# KiCad board Marble_Tiny.kicad_pcb (continued)
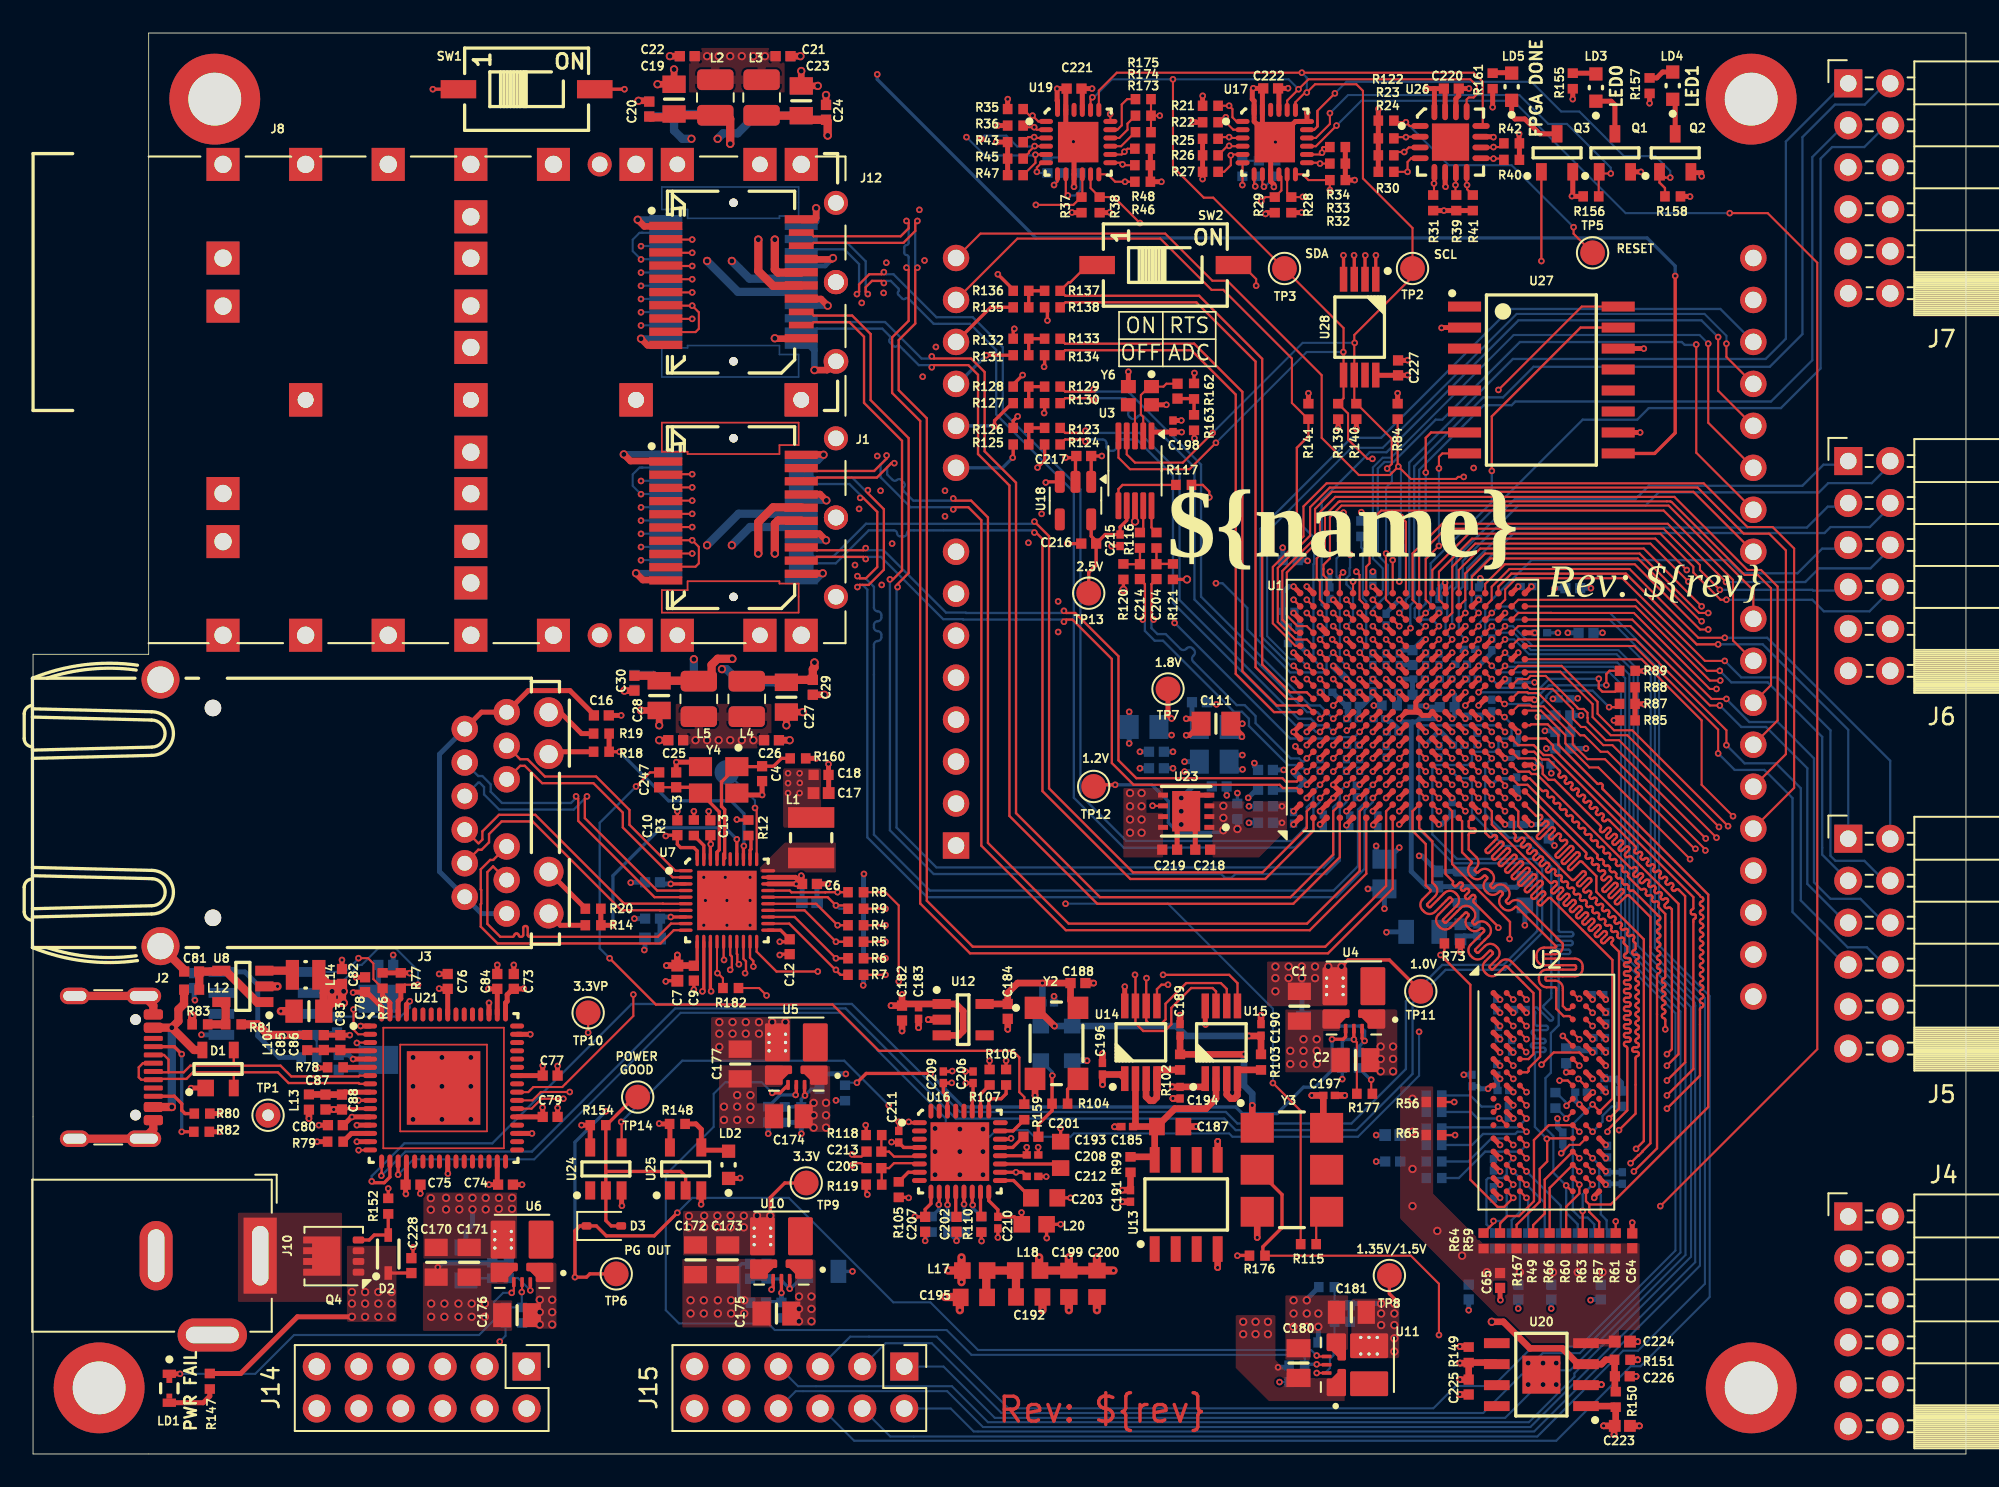
[diagram p0: board, top side]
## Footprints (pads in the part's own frame, mm; a bottom-side part is the same pattern mirrored in y, then rotated) (continued)
  rect 0.58x0.62 smd: 1(-0.47,0) 2(0.47,0)
RESC1608X55N
  rect 0.9x1 smd: 1(-0.8,0) 2(0.8,0)
RESC2012X60N
  rect 0.95x1.4 smd: 1(-1,0) 2(1,0)
SODFL2513X100N
  rect 0.82x0.46 smd: 1(-1.15,0) 2(1.15,0)
SOIC127P600X168-9N-S230
  rect 1.55x0.6 smd: 1(-2.7,1.905) 2(-2.7,0.635) 3(-2.7,-0.635) 4(-2.7,-1.905) 5(2.7,-1.905) 6(2.7,-0.635) 7(2.7,0.635) 8(2.7,1.905)
  rect 2.3x2.3 smd: 9(0,0)
SOIC127P600X175-8N
  rect 1.55x0.6 smd: 1(-2.7,1.905) 2(-2.7,0.635) 3(-2.7,-0.635) 4(-2.7,-1.905) 5(2.7,-1.905) 6(2.7,-0.635) 7(2.7,0.635) 8(2.7,1.905)
SOIC127P1030X265-16N
  rect 2x0.6 smd: 1(-4.65,4.445) 2(-4.65,3.175) 3(-4.65,1.905) 4(-4.65,0.635) 5(-4.65,-0.635) 6(-4.65,-1.905) 7(-4.65,-3.175) 8(-4.65,-4.445) 9(4.65,-4.445) 10(4.65,-3.175) 11(4.65,-1.905) 12(4.65,-0.635) 13(4.65,0.635) 14(4.65,1.905) 15(4.65,3.175) 16(4.65,4.445)
SON65P300X300X100-9N-R170X245
  rect 0.6x0.3 smd: 1(-1.4,0.975) 2(-1.4,0.325) 3(-1.4,-0.325) 4(-1.4,-0.975) 5(1.4,-0.975) 6(1.4,-0.325) 7(1.4,0.325) 8(1.4,0.975)
  rect 1.7x2.45 smd: 9(0,0)
SOP65P490X110-8N
  rect 1.5x0.45 smd: 1(-2.2,0.975) 2(-2.2,0.325) 3(-2.2,-0.325) 4(-2.2,-0.975) 5(2.2,-0.975) 6(2.2,-0.325) 7(2.2,0.325) 8(2.2,0.975)
SOP65P640X120-8N
  rect 1.5x0.45 smd: 1(-2.9,0.975) 2(-2.9,0.325) 3(-2.9,-0.325) 4(-2.9,-0.975) 5(2.9,-0.975) 6(2.9,-0.325) 7(2.9,0.325) 8(2.9,0.975)
SOT95P240X110-3N
  rect 1.05x0.65 smd: 1(-1.15,0.95) 2(-1.15,-0.95) 3(1.15,0)
SOT95P280X145-5N
  rect 1.1x0.6 smd: 1(-1.3,0.95) 2(-1.3,0) 3(-1.3,-0.95) 4(1.3,-0.95) 5(1.3,0.95)
SOT95P284X122-5N
  rect 1.1x0.6 smd: 1(-1.3,0.95) 2(-1.3,0) 3(-1.3,-0.95) 4(1.3,-0.95) 5(1.3,0.95)
SOT190P230X110-4N
  rect 1x1 smd: 1(-1.15,0.75)
  rect 1x0.6 smd: 2(-1.15,-0.95) 3(1.15,-0.95) 4(1.15,0.95)
SOT-23
  rrect 1.475x0.6 smd: 1(-0.938,0.95) 2(-0.938,-0.95) 3(0.938,0)
SOT-23-5
  rrect 1.325x0.6 smd: 1(-1.137,0.95) 2(-1.137,0) 3(-1.137,-0.95) 4(1.137,-0.95) 5(1.137,0.95)
SW_OMRON_A6SN-1101
  rect 2.15x1.1 smd: 1(-4.125,0) 2(4.125,0)
TE_2180739-1
  rect 2x2 hole 1.05: SH1(14.25,4.1) SH2(14.25,-5.9) SH3(-14.25,-10.9) SH4(-8.57,-15.9) SH5(-3.17,-15.9) SH6(5.68,-15.9) SH7(11.08,-15.9) SH8(14.25,-15.9) SH9(-14.25,-20.9) SH10(14.25,-25.9) SH11(-14.25,-30.9) SH12(-5.67,-30.9) SH13(8.58,-30.9)
  rect 2x2 hole 0.95: SH14(-14.25,1.6) SH15(-14.25,-3.4) SH20(0,4.1) SH23(0,-5.9) SH24(0,-15.9) SH25(0,-25.9)
  round 1.458 hole 0.95: SH16(-14.25,-8.1) SH18(-11.92,6.2) SH19(-7.12,6.2) SH21(2.33,6.2) SH22(7.13,6.2)
TE_2180739-1#2
  rect 2x2 hole 1.05: SH1(14.25,4.1) SH2(14.25,-5.9) SH3(-14.25,-10.9) SH4(-8.57,-15.9) SH5(-3.17,-15.9) SH6(5.68,-15.9) SH7(11.08,-15.9) SH8(14.25,-15.9) SH9(-14.25,-20.9) SH10(14.25,-25.9) SH11(-14.25,-30.9) SH12(-5.67,-30.9) SH13(8.58,-30.9)
  rect 2x2 hole 0.95: SH14(-14.25,1.6) SH15(-14.25,-3.4) SH20(0,4.1) SH23(0,-5.9) SH24(0,-15.9) SH25(0,-25.9)
  round 1.458 hole 0.95: SH16(-14.25,-8.1) SH18(-11.92,6.2) SH19(-7.12,6.2) SH22(7.13,6.2)
  round 1.5 hole 0.95: SH21(2.33,6.2)
TestPoint_Pad_D1.5mm
  round 1.5 smd: 1(0,0)
TestPoint_THTPad_D1.5mm_Drill0.7mm
  round 1.5 hole 0.7: 1(0,0)
TYCO_1367073-1
  round 0.5 hole 1.55 unplated: (0,4.795) (0,-4.805)
  rect 2x0.5 smd: 1(-4.1,3.395) 2(-4.1,2.595) 3(-4.1,1.795) 4(-4.1,0.995) 5(-4.1,0.195) 6(-4.1,-0.605) 7(-4.1,-1.405) 8(-4.1,-2.205) 9(-4.1,-3.005) 10(-4.1,-3.805) 11(4.1,-3.405) 12(4.1,-2.605) 13(4.1,-1.805) 14(4.1,-1.005) 15(4.1,-0.205) 16(4.1,0.595) 17(4.1,1.395) 18(4.1,2.195) 19(4.1,2.995) 20(4.1,3.795)
TYCO_1888247-1
  round 0.5 hole 1.55 unplated: (0,4.795) (0,-4.805)
  rect 2x0.5 smd: 1(-4.1,3.395) 2(-4.1,2.595) 3(-4.1,1.795) 4(-4.1,0.995) 5(-4.1,0.195) 6(-4.1,-0.605) 7(-4.1,-1.405) 8(-4.1,-2.205) 9(-4.1,-3.005) 10(-4.1,-3.805) 11(4.1,-3.405) 14(4.1,-1.005) 15(4.1,-0.205) 16(4.1,0.595) 17(4.1,1.395) 20(4.1,3.795)
  rect 1.5x0.4 smd: 12(4.1,-2.605) 13(4.1,-1.805) 18(4.1,2.195) 19(4.1,2.995)
USB_C_Receptacle_GCT_USB4105-xx-A_16P_TopMnt_Horizontal
  round 0.65 hole 0.65 unplated: (-2.89,2.605) (2.89,2.605)
  rrect 0.6x1.15 smd: A1(-3.2,3.68) A4(-2.4,3.68) A9(2.4,3.68) A12(3.2,3.68) B1(3.2,3.68) B4(2.4,3.68) B9(-2.4,3.68) B12(-3.2,3.68)
  rrect 0.3x1.15 smd: A5(-1.25,3.68) A6(-0.25,3.68) A7(0.25,3.68) A8(1.25,3.68) B5(1.75,3.68) B6(0.75,3.68) B7(-0.75,3.68) B8(-1.75,3.68)
  oval 1x2.1 hole 0.6x1.7: S1(-4.32,3.105) S1(4.32,3.105)
  oval 1x1.8 hole 0.6x1.4: S1(-4.32,-1.075) S1(4.32,-1.075)
VREG_TPSM863257RDXR
  rect 0.5x0.5 smd: 1(-1.363,1.337) 2(-1.15,-0.675) 3(1.15,-0.675) 4(1.363,1.337)
  custom 1.645x1.175 smd: 1(-0.915,1.899) 4(1.81,1.899)
  custom 1.5x2.3 smd: 2(-0.49,0.474) 3(1.81,0.474)
  round 0.4 hole 0.2: 3(0.65,-0.165) 3(0.65,-0.665) 3(0.65,-1.165) 3(1.65,-0.165) 3(1.65,-0.665) 3(1.65,-1.165)
  rrect 0.22x0.6 smd: 5(0.5,1.9) 6(0,1.9) 7(-0.5,1.9)
Xilinx_CSG325
  round 0.4 smd: A1(-6.8,6.8) A2(-6,6.8) A3(-5.2,6.8) A4(-4.4,6.8) A5(-3.6,6.8) A6(-2.8,6.8) A7(-2,6.8) A8(-1.2,6.8) A9(-0.4,6.8) A10(0.4,6.8) A11(1.2,6.8) A12(2,6.8) A13(2.8,6.8) A14(3.6,6.8) A15(4.4,6.8) A16(5.2,6.8) A17(6,6.8) A18(6.8,6.8) B1(-6.8,6) B2(-6,6) B3(-5.2,6) B4(-4.4,6) B5(-3.6,6) B6(-2.8,6) B7(-2,6) B8(-1.2,6) B9(-0.4,6) B10(0.4,6) B11(1.2,6) B12(2,6) B13(2.8,6) B14(3.6,6) B15(4.4,6) B16(5.2,6) B17(6,6) B18(6.8,6) C1(-6.8,5.2) C2(-6,5.2) C3(-5.2,5.2) C4(-4.4,5.2) C5(-3.6,5.2) C6(-2.8,5.2) C7(-2,5.2) C8(-1.2,5.2) C9(-0.4,5.2) C10(0.4,5.2) C11(1.2,5.2) C12(2,5.2) C13(2.8,5.2) C14(3.6,5.2) C15(4.4,5.2) C16(5.2,5.2) C17(6,5.2) C18(6.8,5.2) D1(-6.8,4.4) D2(-6,4.4) D3(-5.2,4.4) D4(-4.4,4.4) D5(-3.6,4.4) D6(-2.8,4.4) D7(-2,4.4) D8(-1.2,4.4) D9(-0.4,4.4) D10(0.4,4.4) D11(1.2,4.4) D12(2,4.4) D13(2.8,4.4) D14(3.6,4.4) D15(4.4,4.4) D16(5.2,4.4) D17(6,4.4) D18(6.8,4.4) E1(-6.8,3.6) E2(-6,3.6) E3(-5.2,3.6) E4(-4.4,3.6) E5(-3.6,3.6) E6(-2.8,3.6) E7(-2,3.6) E8(-1.2,3.6) E9(-0.4,3.6) E10(0.4,3.6) E11(1.2,3.6) E12(2,3.6) E13(2.8,3.6) E14(3.6,3.6) E15(4.4,3.6) E16(5.2,3.6) E17(6,3.6) E18(6.8,3.6) F1(-6.8,2.8) F2(-6,2.8) F3(-5.2,2.8) F4(-4.4,2.8) F5(-3.6,2.8) F6(-2.8,2.8) F7(-2,2.8) F8(-1.2,2.8) F9(-0.4,2.8) F10(0.4,2.8) F11(1.2,2.8) F12(2,2.8) F13(2.8,2.8) F14(3.6,2.8) F15(4.4,2.8) F16(5.2,2.8) F17(6,2.8) F18(6.8,2.8) G1(-6.8,2) G2(-6,2) G3(-5.2,2) G4(-4.4,2) G5(-3.6,2) G6(-2.8,2) G7(-2,2) G8(-1.2,2) G9(-0.4,2) G10(0.4,2) G11(1.2,2) G12(2,2) G13(2.8,2) G14(3.6,2) G15(4.4,2) G16(5.2,2) G17(6,2) G18(6.8,2) H1(-6.8,1.2) H2(-6,1.2) H3(-5.2,1.2) H4(-4.4,1.2) H5(-3.6,1.2) H6(-2.8,1.2) H7(-2,1.2) H8(-1.2,1.2) H9(-0.4,1.2) H10(0.4,1.2) H11(1.2,1.2) H12(2,1.2) H13(2.8,1.2) H14(3.6,1.2) H15(4.4,1.2) H16(5.2,1.2) H17(6,1.2) H18(6.8,1.2) J1(-6.8,0.4) J2(-6,0.4) J3(-5.2,0.4) J4(-4.4,0.4) J5(-3.6,0.4) J6(-2.8,0.4) J7(-2,0.4) J8(-1.2,0.4) J9(-0.4,0.4) J10(0.4,0.4) J11(1.2,0.4) J12(2,0.4) J13(2.8,0.4) J14(3.6,0.4) J15(4.4,0.4) J16(5.2,0.4) J17(6,0.4) J18(6.8,0.4) K1(-6.8,-0.4) K2(-6,-0.4) K3(-5.2,-0.4) K4(-4.4,-0.4) K5(-3.6,-0.4) K6(-2.8,-0.4) K7(-2,-0.4) K8(-1.2,-0.4) K9(-0.4,-0.4) K10(0.4,-0.4) K11(1.2,-0.4) K12(2,-0.4) K13(2.8,-0.4) K14(3.6,-0.4) K15(4.4,-0.4) K16(5.2,-0.4) K17(6,-0.4) K18(6.8,-0.4) L1(-6.8,-1.2) L2(-6,-1.2) L3(-5.2,-1.2) L4(-4.4,-1.2) L5(-3.6,-1.2) L6(-2.8,-1.2) L7(-2,-1.2) L8(-1.2,-1.2) L9(-0.4,-1.2) L10(0.4,-1.2) L11(1.2,-1.2) L12(2,-1.2) L13(2.8,-1.2) L14(3.6,-1.2) L15(4.4,-1.2) L16(5.2,-1.2) L17(6,-1.2) L18(6.8,-1.2) M1(-6.8,-2) M2(-6,-2) M3(-5.2,-2) M4(-4.4,-2) M5(-3.6,-2) M6(-2.8,-2) M7(-2,-2) M8(-1.2,-2) M9(-0.4,-2) M10(0.4,-2) M11(1.2,-2) M12(2,-2) M13(2.8,-2) M14(3.6,-2) M15(4.4,-2) M16(5.2,-2) M17(6,-2) M18(6.8,-2) N1(-6.8,-2.8) N2(-6,-2.8) N3(-5.2,-2.8) N4(-4.4,-2.8) N5(-3.6,-2.8) N6(-2.8,-2.8) N7(-2,-2.8) N8(-1.2,-2.8) N9(-0.4,-2.8) N10(0.4,-2.8) N11(1.2,-2.8) N12(2,-2.8) N13(2.8,-2.8) N14(3.6,-2.8) N15(4.4,-2.8) N16(5.2,-2.8) N17(6,-2.8) N18(6.8,-2.8) P1(-6.8,-3.6) P2(-6,-3.6) P3(-5.2,-3.6) P4(-4.4,-3.6) P5(-3.6,-3.6) P6(-2.8,-3.6) P7(-2,-3.6) P8(-1.2,-3.6) P9(-0.4,-3.6) P10(0.4,-3.6) P11(1.2,-3.6) P12(2,-3.6) P13(2.8,-3.6) P14(3.6,-3.6) P15(4.4,-3.6) P16(5.2,-3.6) P17(6,-3.6) P18(6.8,-3.6) R1(-6.8,-4.4) R2(-6,-4.4) R3(-5.2,-4.4) R4(-4.4,-4.4) R5(-3.6,-4.4) R6(-2.8,-4.4) R7(-2,-4.4) R8(-1.2,-4.4) R9(-0.4,-4.4) R10(0.4,-4.4) R11(1.2,-4.4) R12(2,-4.4) R13(2.8,-4.4) R14(3.6,-4.4) R15(4.4,-4.4) R16(5.2,-4.4) R17(6,-4.4) R18(6.8,-4.4) T1(-6.8,-5.2) T2(-6,-5.2) T3(-5.2,-5.2) T4(-4.4,-5.2) T5(-3.6,-5.2) T6(-2.8,-5.2) T7(-2,-5.2) T8(-1.2,-5.2) T9(-0.4,-5.2) T10(0.4,-5.2) T11(1.2,-5.2) T12(2,-5.2) T13(2.8,-5.2) T14(3.6,-5.2) T15(4.4,-5.2) T16(5.2,-5.2) T17(6,-5.2) T18(6.8,-5.2) U1(-6.8,-6) U2(-6,-6) U3(-5.2,-6) U4(-4.4,-6) U5(-3.6,-6) U6(-2.8,-6) U7(-2,-6) U8(-1.2,-6) U9(-0.4,-6) U10(0.4,-6) U11(1.2,-6) U12(2,-6) U13(2.8,-6) U14(3.6,-6) U15(4.4,-6) U16(5.2,-6) U17(6,-6) U18(6.8,-6) V1(-6.8,-6.8) V2(-6,-6.8) V3(-5.2,-6.8) V4(-4.4,-6.8) V5(-3.6,-6.8) V6(-2.8,-6.8) V7(-2,-6.8) V8(-1.2,-6.8) V9(-0.4,-6.8) V10(0.4,-6.8) V11(1.2,-6.8) V12(2,-6.8) V13(2.8,-6.8) V14(3.6,-6.8) V15(4.4,-6.8) V16(5.2,-6.8) V17(6,-6.8) V18(6.8,-6.8)
XTAL_EPSON_TSX-3225
  rect 1.15x1.4 smd: 1(-0.8,1.1) 2(-0.8,-1.1) 3(0.8,-1.1) 4(0.8,1.1)
XTAL_TXC_7A
  rect 1.7x2.4 smd: 1(-1.85,0) 2(1.85,0)
XTAL_TXC_8Y
  rect 0.8x0.9 smd: 1(-0.55,0.7) 2(-0.55,-0.7) 3(0.55,-0.7) 4(0.55,0.7)

## Nets
1V8USB: C73.1 C78.2 C79.2 C80.2 U21.12 U21.37 U21.49 U21.64
+1V0: C1.2 C89.2 C90.2 C91.2 C92.2 C93.2 C94.2 C95.2 C96.2 C97.2 C98.2 C99.2 C100.2 C101.2 C102.2 C103.2 C104.2 C105.2 C106.2 C107.2 C108.2 C109.2 C110.2 C111.2 C120.2 C121.2 C122.2 C157.2 C158.2 C159.2 C160.2 C161.2 C162.2 R1.2 TP11.1 U1.B4 U1.C5 U1.E5 U1.F5 U1.F7 U1.F9 U1.F11 U1.G8 U1.G10 U1.H7 U1.H9 U1.H11 U1.J8 U1.J12 U1.K7 U1.K11 U1.L8 U1.L12 U1.M7 U1.M11 U1.N8 U1.N10 U1.N12 U1.P9 U1.P11 U4.3
+1V2: C163.2 C164.2 C165.2 C166.2 C167.2 C168.2 C169.2 C218.2 R114.2 TP12.1 U1.A2 U1.C1 U1.E1 U1.F3 U1.G2 U23.1 U23.2 U23.3
+1V8: C112.2 C113.2 C114.2 C115.2 C116.2 C117.2 C118.2 C119.2 C156.2 C177.2 C219.2 L16.1 R95.2 TP7.1 U1.E11 U1.G12 U1.H13 U1.K13 U1.M13 U1.P13 U5.3 U23.5 U23.7 U23.8
+2V5: C215.1 C216.2 TP13.1 U3.7 U18.5
+3V3: C5.2 C6.2 C7.2 C8.2 C9.2 C10.2 C21.2 C22.2 C25.2 C26.2 C31.2 C32.2 C33.2 C34.2 C74.2 C75.2 C76.2 C77.2 C123.2 C124.2 C125.2 C126.2 C127.2 C128.2 C129.2 C130.2 C131.2 C132.2 C133.2 C134.2 C135.2 C136.2 C137.2 C138.2 C139.2 C140.2 C146.2 C150.2 C172.2 C173.2 C198.1 C217.2 C220.2 C221.2 C222.2 C225.2 C227.2 L2.1 L3.1 L4.1 L5.1 L6.1 L7.1 L8.1 L9.1 L15.1 L17.1 R12.2 R15.2 R21.2 R23.2 R24.2 R25.2 R26.2 R27.2 R28.2 R30.2 R31.2 R32.2 R33.2 R34.2 R35.2 R37.2 R39.2 R40.2 R41.2 R42.2 R43.2 R44.2 R45.2 R46.2 R47.2 R48.2 R84.1 R85.2 R86.2 R87.2 R88.2 R94.1 R122.2 R139.2 R140.2 R141.2 R148.2 R149.2 R154.1 R155.2 R157.2 R161.2 R182.2 TP9.1 U1.A16 U1.B13 U1.C10 U1.D17 U1.E10 U1.E14 U1.G18 U1.H15 U1.L16 U1.P17 U1.R10 U1.R14 U1.T11 U1.U8 U1.U18 U1.V15 U3.1 U7.11 U7.28 U7.29 U7.40 U10.3 U17.21 U18.1 U18.3 U19.18 U19.21 U20.6 U21.20 U21.31 U21.42 U21.56 U24.5 U25.5 U26.14 U27.2 U27.14 U28.8
+3V3_CLEAN: C182.1 C183.1 C191.1 C194.1 C196.1 C197.1 C199.1 C200.1 C206.1 C208.1 C209.1 C211.1 L18.2 L20.2 R99.2 R105.1 R176.2 U12.1 U12.3 U14.1 U15.1 U16.1 U16.4 U16.20 U16.27 U16.30 Y3.6
+3V3_P: A1.2 A1.4 C170.2 C171.2 J4.6 J4.12 J5.6 J5.12 J6.6 J6.12 J7.6 J7.12 J14.6 J14.12 J15.6 J15.12 R91.1 TP10.1 U6.3
+3V3_USB: C70.2 C82.2 C83.2 C84.1 L10.1 L13.1 L14.2 R75.1 R76.2 R77.2 R79.2 R81.2 TP1.1 U21.50 U22.8
+12V: A1.8 C2.2 C174.2 C175.2 C176.2 C180.2 C228.2 D2.1 Q4.1 Q4.2 Q4.3 R142.2 R143.2 R144.2 R145.2 R146.2 R147.1 U4.1 U5.1 U6.1 U10.1 U11.1
GND: A1.6 A1.7 A1.29 C1.1 C2.1 C3.2 C4.2 C5.1 C6.1 C7.1 C8.1 C9.1 C10.1 C11.1 C12.1 C13.1 C14.1 C15.1 C16.1 C17.1 C18.1 C19.1 C20.1 C21.1 C22.1 C23.1 C24.1 C25.1 C26.1 C27.1 C28.1 C29.1 C30.1 C31.1 C32.1 C33.1 C34.1 C35.1 C36.1 C37.1 C38.1 C39.1 C40.1 C41.1 C42.1 C61.1 C62.2 C63.2 C64.2 C65.2 C66.2 C67.2 C68.2 C69.2 C70.1 C71.2 C72.2 C73.2 C74.1 C75.1 C76.1 C77.1 C78.1 C79.1 C80.1 C81.1 C82.1 C83.1 C84.2 C85.1 C86.1 C87.1 C88.1 C89.1 C90.1 C91.1 C92.1 C93.1 C94.1 C95.1 C96.1 C97.1 C98.1 C99.1 C100.1 C101.1 C102.1 C103.1 C104.1 C105.1 C106.1 C107.1 C108.1 C109.1 C110.1 C111.1 C112.1 C113.1 C114.1 C115.1 C116.1 C117.1 C118.1 C119.1 C120.1 C121.1 C122.1 C123.1 C124.1 C125.1 C126.1 C127.1 C128.1 C129.1 C130.1 C131.1 C132.1 C133.1 C134.1 C135.1 C136.1 C137.1 C138.1 C139.1 C140.1 C141.1 C142.1 C143.1 C144.1 C145.1 C146.1 C147.1 C148.1 C149.1 C150.1 C152.1 C153.1 C155.1 C156.1 C157.1 C158.1 C159.1 C160.1 C161.1 C162.1 C163.1 C164.1 C165.1 C166.1 C167.1 C168.1 C169.1 C170.1 C171.1 C172.1 C173.1 C174.1 C175.1 C176.1 C177.1 C178.1 C179.1 C180.1 C181.1 C182.2 C183.2 C184.2 C185.2 C186.2 C187.2 C188.2 C189.2 C190.2 C191.2 C192.2 C194.2 C195.2 C196.2 C197.2 C198.2 C199.2 C200.2 C201.2 C202.2 C203.2 C206.2 C207.2 C208.2 C209.2 C210.2 C211.2 C212.2 C215.2 C216.1 C217.1 C218.1 C219.1 C220.1 C221.1 C222.1 C223.1 C224.1 C225.1 C226.1 C227.1 C228.1 C229.1 C230.1 C231.1 C232.1 C233.1 C234.1 C235.1 C236.1 C237.1 C238.1 C239.1 C240.1 C241.1 C242.1 C243.1 C244.1 C245.1 C246.1 C249.1 C250.1 D1.1 J1.1 J1.10 J1.11 J1.14 J1.17 J1.20 J2.A1 J2.A12 J2.B1 J2.B12 J2.S1 J3.13 J3.15 J3.17 J3.18 J4.5 J4.11 J5.5 J5.11 J6.5 J6.11 J7.5 J7.11 J8.SH1 J8.SH2 J8.SH3 J8.SH4 J8.SH5 J8.SH6 J8.SH7 J8.SH8 J8.SH9 J8.SH10 J8.SH11 J8.SH12 J8.SH13 J8.SH14 J8.SH15 J8.SH16 J8.SH18 J8.SH19 J8.SH20 J8.SH21 J8.SH22 J8.SH23 J8.SH24 J8.SH25 J9.SH1 J9.SH2 J9.SH3 J9.SH4 J9.SH5 J9.SH6 J9.SH7 J9.SH8 J9.SH9 J9.SH10 J9.SH11 J9.SH12 J9.SH13 J9.SH14 J9.SH15 J9.SH16 J9.SH18 J9.SH19 J9.SH20 J9.SH21 J9.SH22 J9.SH23 J9.SH24 J9.SH25 J10.2 J11.1 J11.10 J11.11 J11.14 J11.17 J11.20 J12.1 J12.10 J12.11 J12.14 J12.17 J12.20 J13.1 J13.10 J13.11 J13.14 J13.17 J13.20 J14.5 J14.11 J15.5 J15.11 L11.1 LD2.1 Q1.2 Q2.2 Q3.2 R2.1 R3.2 R10.1 R11.1 R13.1 R14.1 R16.1 R17.1 R18.1 R22.1 R29.1 R36.1 R38.1 R72.2 R73.1 R78.1 R80.2 R82.2 R83.2 R89.1 R90.1 R92.2 R93.2 R96.1 R97.1 R98.1 R106.1 R107.1 R108.1 R109.1 R110.1 R111.1 R112.1 R118.2 R119.2 R120.1 R121.1 R124.1 R126.2 R128.2 R130.1 R132.2 R134.1 R136.2 R138.1 R149.1 R151.1 R152.1 R156.1 R158.1 R160.1 R163.1 R164.1 R165.1 R166.1 R169.1 R170.1 R171.1 R172.1 R173.1 R174.1 R175.1 R177.1 R178.1 R179.1 R180.1 R181.1 SW1.1 U1.A1 U1.A5 U1.A7 U1.A8 U1.A11 U1.A18 U1.B3 U1.B7 U1.B8 U1.B18 U1.C2 U1.C6 U1.C7 U1.C15 U1.D3 U1.D4 U1.D7 U1.D12 U1.E2 U1.E6 U1.E7 U1.E9 U1.F4 U1.F6 U1.F10 U1.F16 U1.G1 U1.G5 U1.G6 U1.G7 U1.G9 U1.G11 U1.G13 U1.H3 U1.H4 U1.H5 U1.H6 U1.H8 U1.H10 U1.H12 U1.J1 U1.J2 U1.J3 U1.J7 U1.J11 U1.J13 U1.J17 U1.K4 U1.K8 U1.K12 U1.K14 U1.L1 U1.L7 U1.L11 U1.L13 U1.M8 U1.M9 U1.M10 U1.M12 U1.M18 U1.N5 U1.N7 U1.N9 U1.N11 U1.N13 U1.N15 U1.P2 U1.P8 U1.P12 U1.R9 U1.T6 U1.T16 U1.U3 U1.U13 U1.V1 U1.V10 U1.V18 U2.A9 U2.B1 U2.B3 U2.B9 U2.D1 U2.D8 U2.E1 U2.E2 U2.E8 U2.F9 U2.G1 U2.G8 U2.G9 U2.J2 U2.J8 U2.M1 U2.M9 U2.P1 U2.P9 U2.T1 U2.T9 U3.8 U4.4 U5.4 U6.4 U7.41 U8.2 U10.4 U11.4 U12.2 U13.4 U13.5 U14.8 U15.8 U16.22 U16.33 U17.9 U17.18 U17.23 U17.24 U17.25 U18.2 U19.9 U19.23 U19.24 U19.25 U20.2 U20.9 U21.1 U21.5 U21.10 U21.11 U21.13 U21.15 U21.25 U21.35 U21.47 U21.51 U21.65 U22.5 U23.4 U23.9 U24.3 U25.3 U26.6 U26.11 U26.15 U26.16 U27.10 U28.1 U28.2 U28.3 U28.4 Y1.3 Y2.2 Y3.3 Y4.2 Y4.4 Y6.2 Y6.4
/Arduino/A0: A1.9 R125.1
/Arduino/A1: A1.10 R127.1
/Arduino/A2: A1.11 R131.1
/Arduino/A3: A1.12 R135.1
/Clock-WR/WR_DAC_OUT1: C190.1 R103.1 Y1.1 Y2.1
/Clock-WR/WR_DAC_OUT2: C189.1 R102.1 Y3.1
/Clock-WR/WRCLK0_N: C213.2 R118.1 U16.5
/Clock-WR/WRCLK0_P: C205.2 R119.1 U16.6
/Ethernet/LED0: R12.1 U7.32
/Ethernet/LED1: R18.2 R19.1 U7.33
/Ethernet/LED2: R14.2 R20.1 U7.34
/Ethernet/MDI0_N: J3.10 U7.2
/Ethernet/MDI0_P: J3.11 U7.1
/Ethernet/MDI1_N: J3.5 U7.5
/Ethernet/MDI1_P: J3.4 U7.4
/Ethernet/MDI2_N: J3.2 U7.7
/Ethernet/MDI2_P: J3.3 U7.6
/Ethernet/MDI3_N: J3.9 U7.10
/Ethernet/MDI3_P: J3.8 U7.9
/Ethernet/RX0_T: R4.2 R11.2 U7.25
/Ethernet/RX1_T: R5.2 R10.2 U7.24
/Ethernet/RX2_T: R6.2 R13.2 U7.23
/Ethernet/RX3_T: R7.2 R15.1 U7.22
/Ethernet/RXC_T: R8.2 R17.2 U7.27
/Ethernet/RXCTL_T: R9.2 R16.2 U7.26
/FPGA_MISC/CCLK: U1.E8 U27.16
/FPGA_MISC/VREF: C151.2 C154.2 U1.L10 U9.2
/SFP/I2C_SFP0_SCL: J12.5 R24.1 U26.3
/SFP/I2C_SFP0_SDA: J12.4 R23.1 U26.2
/SFP/I2C_SFP1_SCL: J1.5 R31.1 U26.5
/SFP/I2C_SFP1_SDA: J1.4 R30.1 U26.4
/SFP/I2C_SFP2_SCL: J11.5 R41.1 U26.8
/SFP/I2C_SFP2_SDA: J11.4 R39.1 U26.7
/SFP/I2C_SFP3_SCL: J13.5 R42.1 U26.10
/SFP/I2C_SFP3_SDA: J13.4 R40.1 U26.9
/SFP/RS0: J12.7 J12.9 R26.1 U17.4
/SFP/RS1: J1.7 J1.9 R33.1 U17.13
/SFP/RS2: J11.7 J11.9 R45.1 U19.4
/SFP/RS3: J13.7 J13.9 R46.1 U19.13
/SFP/SFP0_DEF0: J12.6 R25.1 U17.3
/SFP/SFP0_LOS: J12.8 R27.1 U17.5
/SFP/SFP0_TX_DIS: J12.3 R22.2 U17.2
/SFP/SFP0_TX_FAULT: J12.2 R21.1 U17.1
/SFP/SFP1_DEF0: J1.6 R32.1 U17.12
/SFP/SFP1_LOS: J1.8 R34.1 U17.14
/SFP/SFP1_TX_DIS: J1.3 R29.2 U17.11
/SFP/SFP1_TX_FAULT: J1.2 R28.1 U17.10
/SFP/SFP2_DEF0: J11.6 R43.1 U19.3
/SFP/SFP2_LOS: J11.8 R47.1 U19.5
/SFP/SFP2_TX_DIS: J11.3 R36.2 U19.2
/SFP/SFP2_TX_FAULT: J11.2 R35.1 U19.1
/SFP/SFP3_DEF0: J13.6 R44.1 U19.12
/SFP/SFP3_LOS: J13.8 R48.1 U19.14
/SFP/SFP3_TX_DIS: J13.3 R38.2 U19.11
/SFP/SFP3_TX_FAULT: J13.2 R37.1 U19.10
/USB/USB_N: D1.3 J2.A7 J2.B7 U21.7
/USB/USB_P: D1.2 J2.A6 J2.B6 U21.8
AD0_N: R124.2 U1.C8
AD0_P: R123.2 U1.D8
AD1_N: R134.2 U1.A9
AD1_P: R133.2 U1.B9
AD8_N: R130.2 U1.C9
AD8_P: R129.2 U1.D9
AD9_N: R138.2 U1.A10
AD9_P: R137.2 SW2.1 U1.B10
ARDUINO_D0: A1.15 U1.G14
ARDUINO_D1: A1.16 U1.H16
ARDUINO_D2: A1.17 U1.A12
ARDUINO_D3: A1.18 U1.B12
ARDUINO_D4: A1.19 U1.C14
ARDUINO_D5: A1.20 U1.G17
ARDUINO_D6: A1.21 U1.G16
ARDUINO_D7: A1.22 U1.A15
ARDUINO_D8: A1.23 U1.C18
ARDUINO_D9: A1.24 U1.F18
ARDUINO_D10: A1.25 U1.C17
ARDUINO_D11: A1.26 U1.B15
ARDUINO_D12: A1.27 U1.B14
ARDUINO_D13: A1.28 U1.A14
CFG_DIN: U1.L17 U27.8
CFG_FCS: U1.L15 U27.7
CFG_MOSI: U1.K16 U27.15
CLK2: R117.2 U1.E15
CLK20_VCXO: R115.2 U1.D13
CLK_25MHZ: C247.2 R159.2 R162.1
DDR3_A0: R65.1 U1.U2 U2.N3
DDR3_A1: R66.1 U1.V3 U2.P7
DDR3_A2: R67.1 U1.R7 U2.P3
DDR3_A3: R68.1 U1.P6 U2.N2
DDR3_A4: R61.1 U1.V2 U2.P8
DDR3_A5: R62.1 U1.V4 U2.P2
DDR3_A6: R63.1 U1.V7 U2.R8
DDR3_A7: R64.1 U1.T7 U2.R2
DDR3_A8: R57.1 U1.V8 U2.T8
DDR3_A9: R58.1 U1.U4 U2.R3
DDR3_A10: R59.1 U1.U1 U2.L7
DDR3_A11: R60.1 U1.U7 U2.R7
DDR3_A12: R49.1 U1.U6 U2.N7
DDR3_A13: R50.1 U1.U5 U2.T3
DDR3_A14: R153.1 U1.R6 U2.T7
DDR3_A15: R167.1 U1.M5 U2.M7
DDR3_BA0: R51.1 U1.T3 U2.M2
DDR3_BA1: R52.1 U1.V6 U2.N8
DDR3_BA2: R53.1 U1.R2 U2.M3
DDR3_CAS: R69.1 U1.T2 U2.K3
DDR3_CE: R55.1 U1.P5 U2.L2
DDR3_CKE0: R54.1 U1.R1 U2.K9
DDR3_CLK_N: R168.1 U1.T5 U2.K7
DDR3_CLK_P: R168.2 U1.R5 U2.J7
DDR3_D0: U1.K3 U2.E3
DDR3_D1: U1.L4 U2.F7
DDR3_D2: U1.K5 U2.F2
DDR3_D3: U1.K6 U2.F8
DDR3_D4: U1.J4 U2.H3
DDR3_D5: U1.L2 U2.H8
DDR3_D6: U1.J5 U2.G2
DDR3_D7: U1.L3 U2.H7
DDR3_D8: U1.N3 U2.D7
DDR3_D9: U1.M1 U2.C3
DDR3_D10: U1.N2 U2.C8
DDR3_D11: U1.M4 U2.C2
DDR3_D12: U1.N6 U2.A7
DDR3_D13: U1.M2 U2.A2
DDR3_D14: U1.P4 U2.B8
DDR3_D15: U1.N4 U2.A3
DDR3_DM0: U1.L5 U2.E7
DDR3_DM1: U1.M6 U2.D3
DDR3_DQS0_N: U1.K1 U2.G3
DDR3_DQS0_P: U1.K2 U2.F3
DDR3_DQS1_N: U1.P1 U2.B7
DDR3_DQS1_P: U1.N1 U2.C7
DDR3_ODT: R71.1 U1.P3 U2.K1
DDR3_RAS: R56.1 U1.R3 U2.J3
DDR3_RST: R73.2 U1.J6 U2.T2
DDR3_WE: R70.1 U1.T4 U2.L3
DDRVCC: C61.2 C141.2 C142.2 C143.2 C144.2 C145.2 C147.2 C148.2 C149.2 C181.2 C223.2 C229.2 C230.2 C231.2 C232.2 C233.2 C234.2 C235.2 C236.2 C237.2 C238.2 C239.2 C240.2 C241.2 C242.2 C243.2 C244.2 C245.2 C246.2 R100.2 R101.2 R150.2 TP8.1 U1.L6 U1.M3 U1.P7 U1.R4 U1.T1 U1.V5 U2.A1 U2.A8 U2.B2 U2.C1 U2.C9 U2.D2 U2.D9 U2.E9 U2.F1 U2.G7 U2.H2 U2.H9 U2.K2 U2.K8 U2.N1 U2.N9 U2.R1 U2.R9 U11.3 U20.1
DDRVREF: C226.2 C249.2 C250.2 R150.1 R151.2 U2.H1 U2.M8 U20.3
DDRVTT: C62.1 C63.1 C64.1 C65.1 C66.1 C67.1 C68.1 C69.1 C224.2 R49.2 R50.2 R51.2 R52.2 R53.2 R54.2 R55.2 R56.2 R57.2 R58.2 R59.2 R60.2 R61.2 R62.2 R63.2 R64.2 R65.2 R66.2 R67.2 R68.2 R69.2 R70.2 R71.2 R153.2 R167.2 U20.4
I2C_SCL: R140.1 TP2.1 U1.H17 U3.4 U17.19 U19.19 U26.12 U28.6
I2C_SCL_Ardu: A1.14 A1.32 R84.2 U1.J18
I2C_SDA: R139.1 TP3.1 U1.F14 U3.5 U17.20 U19.20 U26.13 U28.5
I2C_SDA_Ardu: A1.13 A1.31 R141.1 U1.C12
JTAG_TCK: U1.F8 U21.16
JTAG_TDI: U1.T9 U21.17
JTAG_TDO: U1.T8 U21.18
JTAG_TMS: U1.R8 U21.19
LED0: Q1.1 R156.2 U17.16
LED1: Q2.1 R158.2 U17.17
MDC_PHY: U1.H14 U7.13
MDIO_PHY: R182.1 U1.E18 U7.14
MGT_RX0_N: J12.12 U1.E3
MGT_RX0_P: J12.13 U1.E4
MGT_RX1_N: J1.12 U1.A3
MGT_RX1_P: J1.13 U1.A4
MGT_RX2_N: J11.12 U1.C3
MGT_RX2_P: J11.13 U1.C4
MGT_RX3_N: J13.12 U1.G3
MGT_RX3_P: J13.13 U1.G4
MGT_TX0_N: J12.19 U1.H1
MGT_TX0_P: J12.18 U1.H2
MGT_TX1_N: J1.19 U1.F1
MGT_TX1_P: J1.18 U1.F2
MGT_TX2_N: J11.19 U1.D1
MGT_TX2_P: J11.18 U1.D2
MGT_TX3_N: J13.19 U1.B1
MGT_TX3_P: J13.18 U1.B2
PHY_RSTn: U1.A13 U7.12
PMOD1_0: J4.1 U1.M16
PMOD1_1: J4.2 U1.N17
PMOD1_2: J4.3 U1.R18
PMOD1_3: J4.4 U1.U16
PMOD1_4: J4.7 U1.M17
PMOD1_5: J4.8 U1.N18
PMOD1_6: J4.9 U1.P18
PMOD1_7: J4.10 U1.V17
PMOD2_0: J5.1 U1.T18
PMOD2_1: J5.2 U1.U17
PMOD2_2: J5.3 U1.U15
PMOD2_3: J5.4 U1.V14
PMOD2_4: J5.7 U1.R17
PMOD2_5: J5.8 U1.T17
PMOD2_6: J5.9 U1.V16
PMOD2_7: J5.10 U1.U14
PMOD3_0: J6.1 U1.M15
PMOD3_1: J6.2 U1.N16
PMOD3_2: J6.3 U1.P15
PMOD3_3: J6.4 U1.K18
PMOD3_4: J6.7 U1.N14
PMOD3_5: J6.8 U1.P16
PMOD3_6: J6.9 U1.K17
PMOD3_7: J6.10 U1.L18
PMOD4_0: J7.1 U1.J16
PMOD4_1: J7.2 U1.K15
PMOD4_2: J7.3 U1.F15
PMOD4_3: J7.4 U1.J14
PMOD4_4: J7.7 U1.J15
PMOD4_5: J7.8 U1.M14
PMOD4_6: J7.9 U1.G15
PMOD4_7: J7.10 U1.L14
PMOD5_0: J14.1 U1.U10
PMOD5_1: J14.2 U1.U9
PMOD5_2: J14.3 U1.V9
PMOD5_3: J14.4 U1.V11
PMOD5_4: J14.7 U1.V12
PMOD5_5: J14.8 U1.U12
PMOD5_6: J14.9 U1.V13
PMOD5_7: J14.10 U1.U11
PMOD6_0: J15.1 U1.T13
PMOD6_1: J15.2 U1.T12
PMOD6_2: J15.3 U1.R13
PMOD6_3: J15.4 U1.T14
PMOD6_4: J15.7 U1.T15
PMOD6_5: J15.8 U1.P14
PMOD6_6: J15.9 U1.R16
PMOD6_7: J15.10 U1.R15
REF_CLK0_N: C214.1 U1.B5
REF_CLK0_P: C204.1 U1.B6
REG_1V0: C11.2 C12.2 C13.2 C14.2 C15.2 C17.2 C18.2 L1.2 U7.3 U7.8 U7.21 U7.38
RGMII_RX_CLK: R8.1 U1.E13
RGMII_RX_DV: R9.1 U1.D16
RGMII_RXD0: R4.1 U1.B16
RGMII_RXD1: R5.1 U1.C16
RGMII_RXD2: R6.1 U1.D14
RGMII_RXD3: R7.1 U1.C13
RGMII_TX_CLK: U1.D15 U7.20
RGMII_TX_EN: U1.A17 U7.19
RGMII_TXD0: U1.B17 U7.18
RGMII_TXD1: U1.E16 U7.17
RGMII_TXD2: U1.E17 U7.16
RGMII_TXD3: U1.D18 U7.15
RST: R85.1 R122.1 TP5.1 U1.P10 U24.4 U26.1
RTS: SW2.2 U21.40
RX: U1.F17 U21.39
TX: U1.H18 U21.38
VCXO_EN: R176.1 U17.15 Y3.2
VUSB: D1.4 J2.A4 J2.A9 J2.B4 J2.B9 L12.1
WR_CLK0_N: C213.1 U1.D5
WR_CLK0_P: C205.1 U1.D6
WR_DAC1_SYNC: U1.D11 U15.5
WR_DAC2_SYNC: U1.D10 U14.5
WR_DAC_DIN: U1.B11 U14.7 U15.7
WR_DAC_SCLK: U1.C11 U14.6 U15.6
XADCGND: C151.1 C154.1 L11.2 U1.J9 U1.K9 U1.K10 U1.L9 U9.3
Net-(C192-Pad1): C192.1 C195.1 L17.2 L18.1
Net-(C204-Pad2): C204.2 R113.2 R121.2
Net-(C214-Pad2): C214.2 R116.2 R120.2
Net-(C248-Pad2): C248.2 R162.2 R163.2
Net-(D2-A): D2.2 Q4.4 R152.2
Net-(D3-A): D3.2 R154.2 TP14.1 U24.2 U25.2
Net-(D3-K): D3.1 LD1.1 TP6.1 U6.5 U11.5 U23.6
Net-(J1-VCCR): C27.2 C29.2 J1.15 L4.2
Net-(J1-VCCT): C28.2 C30.2 J1.16 L5.2
Net-(J2-CC1): J2.A5 R82.1
Net-(J2-CC2): J2.B5 R80.1
Net-(J3-LED1A): J3.14 R20.2
Net-(J3-LED2A): J3.16 R19.2
Net-(J3-TRCT1): C16.2 J3.1 J3.6 J3.7 J3.12
Net-(J11-VCCR): C35.2 C39.2 J11.15 L6.2
Net-(J11-VCCT): C36.2 C40.2 J11.16 L7.2
Net-(J12-VCCR): C19.2 C20.2 J12.15 L2.2
Net-(J12-VCCT): C23.2 C24.2 J12.16 L3.2
Net-(J13-VCCR): C37.2 C41.2 J13.15 L8.2
Net-(J13-VCCT): C38.2 C42.2 J13.16 L9.2
Net-(LD1-A): LD1.2 R147.2
Net-(LD2-A): LD2.2 R148.1 U25.4
Net-(LD3-A): LD3.2 R155.1
Net-(LD3-C): LD3.1 Q1.3
Net-(LD4-A): LD4.2 R157.1
Net-(LD4-C): LD4.1 Q2.3
Net-(LD5-A): LD5.2 R161.1
Net-(LD5-C): LD5.1 Q3.3
Net-(Q3-G): Q3.1 U1.F12
Net-(Q4-D): J10.1 Q4.5
Net-(R123-Pad1): R123.1 R125.2 R126.1
Net-(R127-Pad2): R127.2 R128.1 R129.1
Net-(R131-Pad2): R131.2 R132.1 R133.1
Net-(R135-Pad2): R135.2 R136.1 R137.1
Net-(U1D-MGTRREF_216): R114.1 U1.A6
Net-(U1E-CFGBVS_0): R86.1 U1.E12
Net-(U1E-INIT_B_0): R87.1 U1.T10
Net-(U1E-M0_0): R88.1 U1.R12
Net-(U1E-M1_0): R89.2 U1.R11
Net-(U1E-M2_0): R90.2 U1.F13
Net-(U1F-VCCADC_0): C155.2 L16.2 U1.J10
Net-(U2-ZQ): R72.1 U2.L8
Net-(U3-CLK0): R113.1 U3.10
Net-(U3-CLK1): R116.1 U3.9
Net-(U3-CLK2): R117.1 U3.6
Net-(U3-XA): C248.1 U3.2 Y6.1
Net-(U3-XB): U3.3 Y6.3
Net-(U4-EN): R142.1 R177.2 U4.6
Net-(U4-FB): R1.1 R2.2 U4.7
Net-(U4-PG): R143.1 R178.2 U4.5 U5.6
Net-(U5-FB): R95.1 R96.2 R97.2 U5.7
Net-(U6-FB): C179.2 R91.2 R92.1 U6.7
Net-(U7-INTB/PMEB): TP4.1 U7.31
Net-(U7-REG_OUT): L1.1 U7.30
Net-(U7-RSET): R3.1 U7.39
Net-(U7-XTAL_IN): C4.1 R160.2 U7.36 Y4.1
Net-(U7-XTAL_OUT/EXT_CLK): C3.1 C247.1 U7.37 Y4.3
Net-(U8-EN): C81.2 L12.2 U8.1 U8.4
Net-(U8-FB): R81.1 R83.1 U8.5
Net-(U8-SW): L14.1 U8.3
Net-(U9-IN): C152.2 C153.2 L15.2 U9.1
Net-(U10-EN): R144.1 R145.1 R179.2 R180.2 U5.5 U10.6 U11.6
Net-(U10-FB): C178.2 R93.1 R94.2 U10.7
Net-(U10-PG): R146.1 R181.2 U6.6 U10.5
Net-(U11-FB): R98.2 R100.1 R101.1 R169.2 U11.7
Net-(U12-VOUT): C184.1 C186.1 C188.1 U12.5 Y1.6 Y2.4
Net-(U13-C): C185.1 C187.1 R99.1 U13.8 U14.2 U15.2
Net-(U14-VFB): R102.2 U14.3 U14.4
Net-(U15-VFB): R103.2 U15.3 U15.4
Net-(U16-CE): R105.2 U16.7
Net-(U16-OD0): R108.2 U16.13
Net-(U16-OD1): R109.2 U16.14
Net-(U16-OD2): R110.2 U16.15
Net-(U16-OS0): R112.2 U16.11
Net-(U16-OS1): R111.2 U16.10
Net-(U16-OSCOUT): R159.1 U16.23
Net-(U16-PR0): R106.2 U16.25
Net-(U16-PR1): R107.2 U16.26
Net-(U16-REGCAP1): C201.1 U16.19
Net-(U16-REGCAP2): C203.1 U16.17
Net-(U16-VCCPLL1): C207.1 C210.1 C212.1 L20.1 U16.9 U16.16 U16.18
Net-(U16-XIN): C193.2 U16.21
Net-(U16-~{RSTN}): C202.1 U16.12
Net-(U17-P05): R164.2 U17.6
Net-(U17-P06): R165.2 U17.7
Net-(U17-P07): R166.2 U17.8
Net-(U19-P05): R170.2 U19.6
Net-(U19-P06): R171.2 U19.7
Net-(U19-P07): R172.2 U19.8
Net-(U19-P15): R173.2 U19.15
Net-(U19-P16): R174.2 U19.16
Net-(U19-P17): R175.2 U19.17
Net-(U21-EECLK): R77.1 U21.62 U22.2
Net-(U21-EECS): R76.1 U21.63 U22.1
Net-(U21-EEDATA): R74.2 U21.61 U22.3
Net-(U21-OSCI): C72.1 U21.2 Y5.2
Net-(U21-OSCO): C71.1 U21.3 Y5.1
Net-(U21-REF): R78.2 U21.6
Net-(U21-RESET#): R79.1 U21.14
Net-(U21-VPHY): C85.2 C86.2 L10.2 U21.4
Net-(U21-VPLL): C87.2 C88.2 L13.2 U21.9
Net-(U22-DO): R74.1 R75.2 U22.4
Net-(U27-~{WP/}IO2): SW1.2 U27.9
